# Altium PCB Copy of GameBoard_V1I1_083018.PcbDoc (part 11 of 21)
Units mil, origin at the board's own origin, x right, y up, seen from the top; angles counter-clockwise.
Board outline 7165.35 x 2763.78 mil, 12 copper layers (L1, L2, L3, L4, L5 (PWR), L6 (PWR), L7 (PWR), L8 (PWR), L9, L10, L11, L12), stack 61.575 mil thick; 1542 components, 1068 nets, 5447 pads, 3797 vias.
Unrouted connection lines stored in the file: 105.
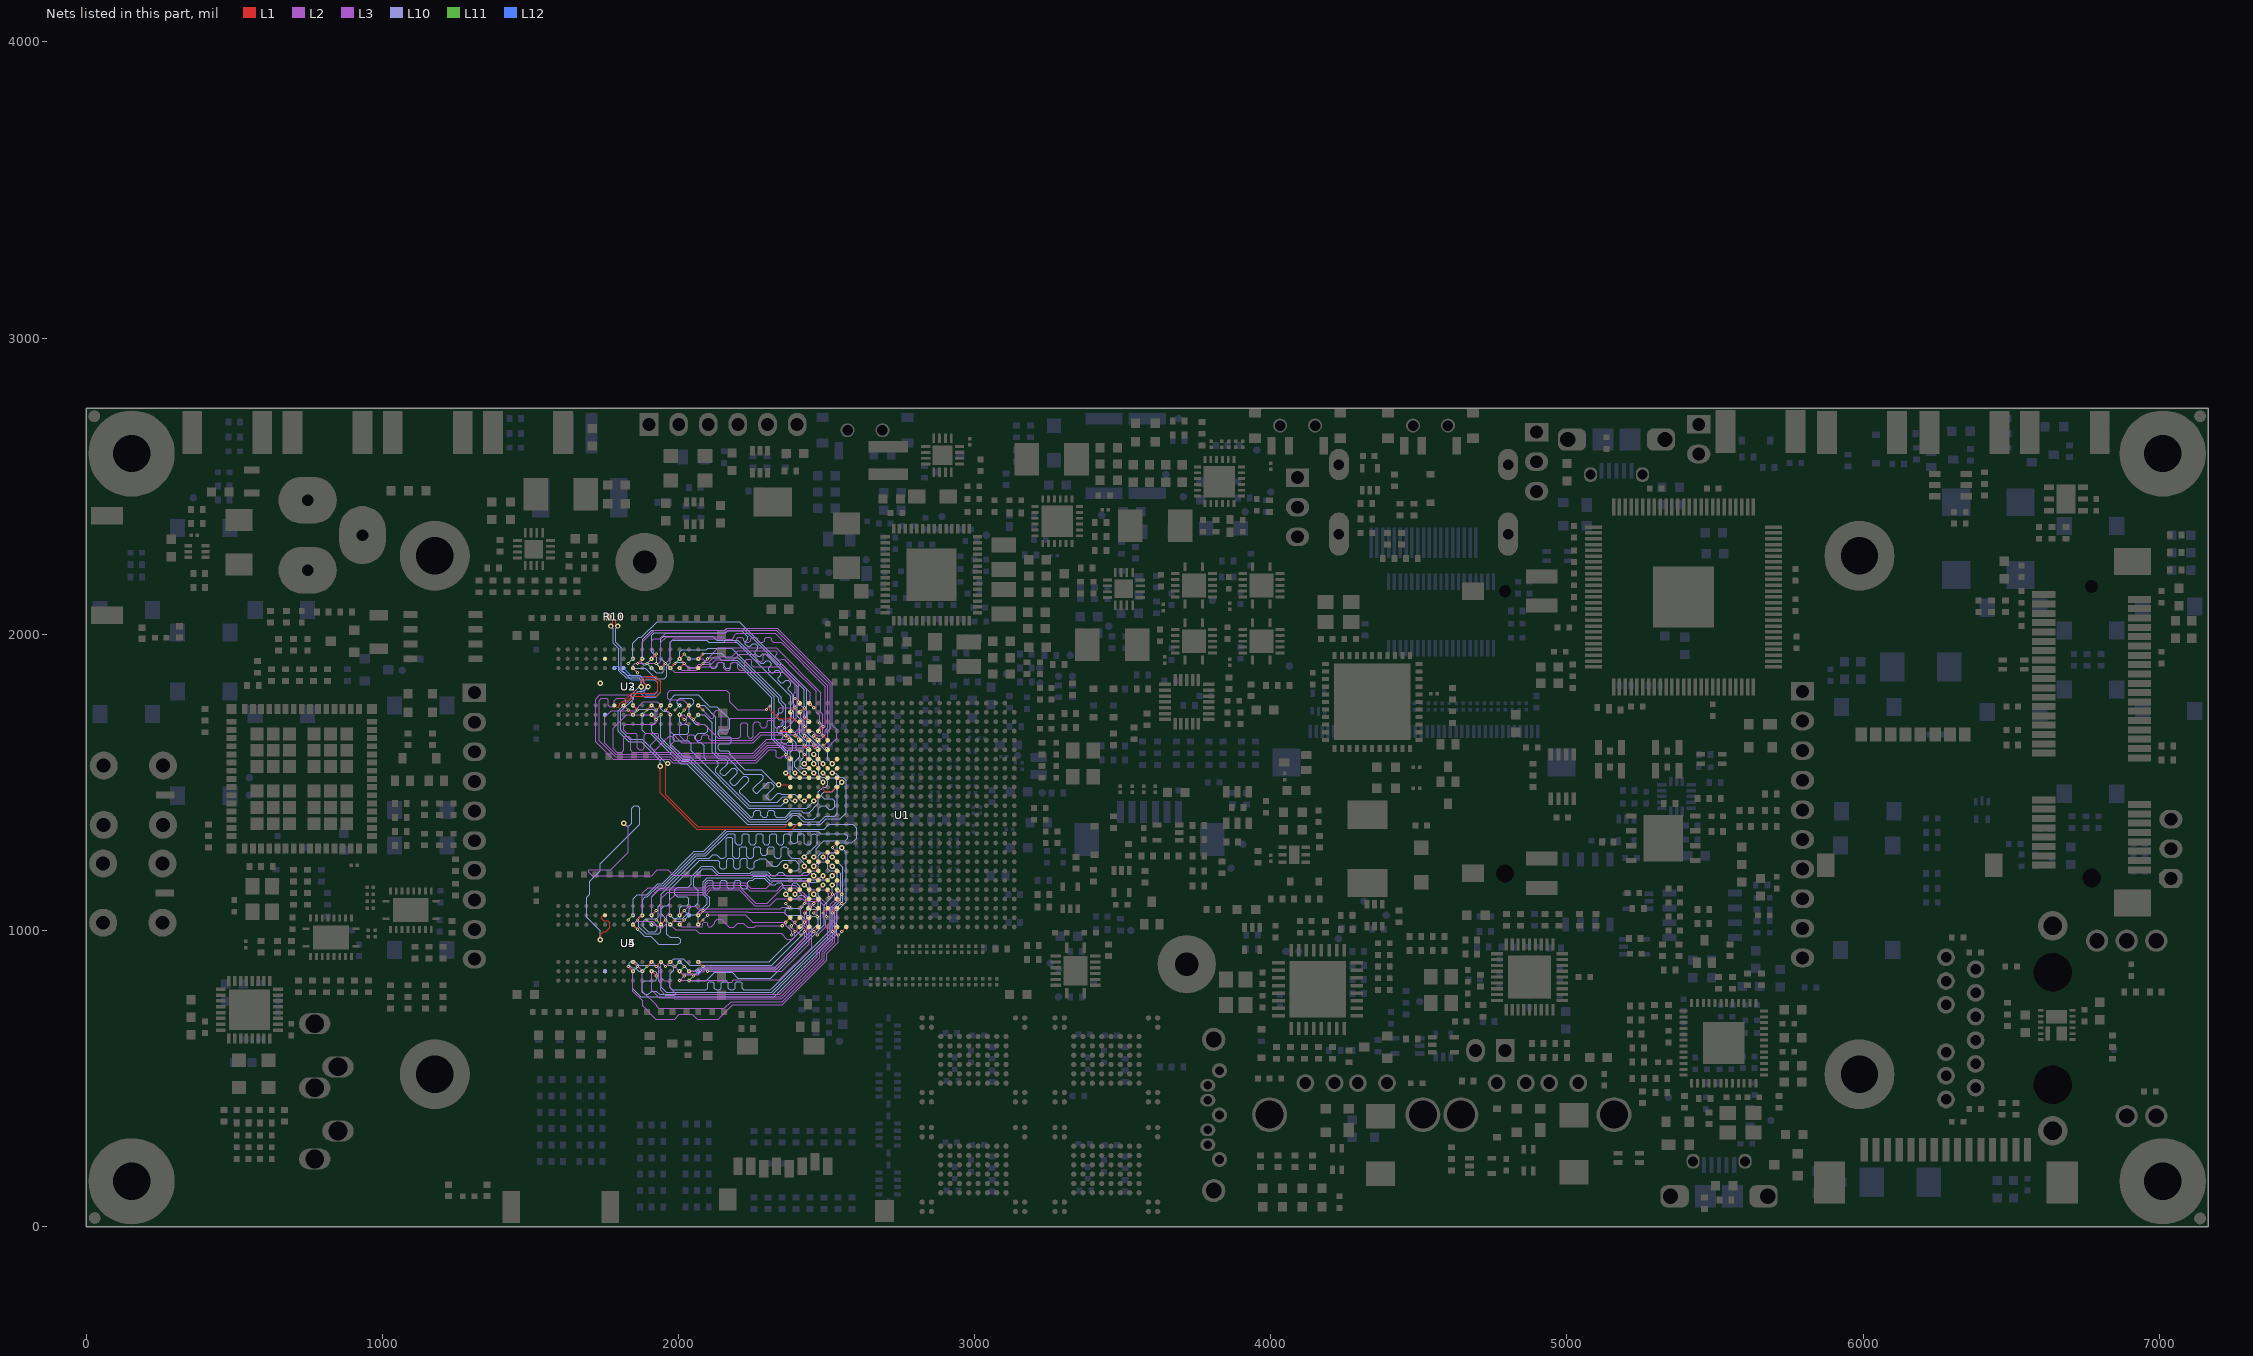
[diagram p21: the nets of this part, all layers, seen from the top]

## Via types
v1: diameter 17.72, hole 7.87, L1 to L12, 1936 vias
v2: diameter 17.72, hole 7.87, L1 to L12, tented both sides, 999 vias
v3: diameter 10.63, hole 3.94, L1 to L2, 337 vias
v4: diameter 10.63, hole 3.94, L2 to L3, 335 vias
v5: diameter 10.63, hole 3.94, L10 to L11, 96 vias
v6: diameter 10.63, hole 3.94, L11 to L12, 94 vias

## Nets (pads, with @x,y where several pads share a name; then routed paths per layer and width w, separated by ;. In a path a pad name is that pad's centre, name@x,y a point inside that pad or via, vN(x,y) a via of type N, cw(c..) or ccw(c..) an arc to the next point about the centre after c; other vN are vias at no path point) (continued)
DRAM_CLK1_N: R10.1 U1.AE14 U2.K7 U3.K7 | length 1860.7
  L1 w3.54: U2.K7@1783.46,1759.84 1789.37,1753.94 1796.46,1753.94 1802.36,1759.84 1802.36,1765.37 1809.44,1772.44 1813.64,1772.44 1841.81,1800.61 1920.55,1800.61 1929.9,1809.96 1929.9,1837.81 1918.5,1849.21 1890.69,1849.21 1883.86,1842.38 1883.86,1836.93 1897.64,1823.15 v2(1897.64,1822.83) ; v2(1795.28,2027.56) 1795.28,2027.88 1788.55,2034.61 1788.55,2044.45 R10.1@1803.15,2059.06
  L1 w3.94: 1956.69,1557.4 1956.69,1458.66 1958.27,1457.08 1972.44,1442.91 2064.96,1350.39 2360.24,1350.39 2368.11,1358.27 U1.AE14@2377.95,1358.27 ; 1956.85,1557.24 v2(1963.58,1563.98)
  L10 w3.94: v2(1795.28,2027.56) 1788.39,2020.67 1788.39,1972.75 1807.09,1954.05 1807.09,1880.91 1826.77,1861.22 1869.4,1861.22 1881.89,1848.73 1881.89,1838.58 v2(1897.64,1822.83) 1894.89,1822.83 1880.13,1808.07 1863.5,1808.07 1848.43,1793 1848.43,1782.69 1805.12,1739.38 1805.12,1676.49 1835.94,1645.67 1877.28,1645.67 1958.97,1563.98 v2(1963.58,1563.98)
  L12 w3.54: U3.K7@1783.46,1885.83 1789.37,1891.73 1796.46,1891.73 1802.36,1885.82 1802.36,1880.3 1809.44,1873.23 1813.64,1873.23 1839.84,1847.03 1918.58,1847.03 1929.9,1835.7 1929.9,1807.85 1918.5,1796.45 1890.69,1796.45 1884.02,1803.13 ; 1883.86,1803.29 1883.86,1808.73 1897.64,1822.51 v2(1897.64,1822.83)
DRAM_CLK1_P: R10.2 U1.AD14 U2.J7 U3.J7 | length 1879.1
  L1 w3.54: R10.2@1763.78,2059.06 1777.72,2045.12 1777.72,2033.62 v2(1771.65,2027.56) ; U2.J7@1814.96,1759.84 1845.89,1790.77 1924.62,1790.77 1939.74,1805.89 1939.74,1841.89 1922.58,1859.06 1886.61,1859.06 1874.02,1846.46 v2(1874.01,1822.83)
  L1 w3.94: v2(1938.98,1554.13) 1938.98,1465.24 2061.7,1342.52 2383.86,1342.52 2399.61,1358.27 U1.AD14@2409.45,1358.27
  L10 w3.94: v2(1771.65,2027.56) 1780.51,2018.7 1780.51,1969.49 1799.21,1950.79 1799.21,1877.64 1823.51,1853.35 1866.14,1853.35 1874.01,1845.47 v2(1874.01,1822.83) 1867.12,1822.83 1840.55,1796.26 1840.55,1785.95 1797.24,1742.64 1797.24,1673.23 1832.68,1637.8 1874.02,1637.8 1938.98,1572.83 v2(1938.98,1554.13)
  L12 w3.54: U3.J7@1814.96,1885.83 1843.92,1856.87 1922.66,1856.87 1939.74,1839.78 1939.74,1803.78 1922.58,1786.61 1886.61,1786.61 1874.02,1799.21 v2(1874.01,1822.83)
DRAM_CS0_B: U1.Y16 U2.L2 U3.L2 U4.L2 U5.L2 | length 2000.2
  L1 w3.66: v2(1736.22,968.5) 1736.29,986.22 1745.3,995.23 1754.16,995.23 1767.78,1008.86 1767.78,1025.59 1760.89,1032.48 1748.1,1032.48 1741.21,1039.37 1741.21,1046.26 1746.13,1051.18 U4.L2@1752.03,1051.18 ; v3(2519.69,1279.53) U1.Y16@2535.43,1295.28
  L3 w3.94: v2(1814.96,1362.2) 1830.71,1346.46 1830.71,1263.78 1771.65,1204.72 1696.85,1204.72 1696.85,1196.85 1708.66,1185.04 1909.45,1185.04 1929.13,1204.72 1964.57,1204.72 1983.47,1185.82 2382.67,1185.82 2436.59,1185.82 2450.58,1199.8 2451.77,1199.8 2452.76,1200.79 2464.57,1200.79 2472.44,1208.66 2472.44,1221.67 2482.07,1231.3 2495.08,1231.3 2504.92,1241.14 2504.92,1254.15 2513.57,1262.8 2526.57,1262.8 v4(2531.5,1267.72)
  L10 w3.66: v2(1736.22,968.5) 1736.22,998.52 1690.1,1044.64 1690.1,1111.36 1700.79,1122.05 1700.79,1165.35 1736.22,1200.79 1736.22,1225.47 1774.66,1263.92 1774.86,1263.92 1870.08,1359.14 1870.08,1413.39 1862.21,1421.26 1850.39,1421.26 1842.52,1413.39 1842.52,1362.2 1834.65,1354.33 1822.84,1354.33 v2(1814.96,1362.2)
  L2 w3.94: v3(2519.69,1279.53) v4(2531.5,1267.72)
  other v2: 1736.22,1834.65
DRAM_D0: U1.AD2 U2.D7 | length 687
  L1 w3.66: v3(1956.69,1744.1) U2.D7@1972.44,1759.84 ; U1.AD2@2409.45,1736.22 v3(2425.2,1751.97)
  L3 w3.94: v4(1972.44,1728.35) 1972.44,1672.24 2010.83,1633.86 2251.97,1633.86 2279.53,1661.42 2398.16,1661.42 2424.61,1687.87 2424.61,1705.44 2413.39,1716.66 v4(2413.39,1740.16)
  L2 w3.94: v3(1956.69,1744.1) v4(1972.44,1728.35) ; v4(2413.39,1740.16) v3(2425.2,1751.97)
DRAM_D1: U1.AE2 U2.B8 | length 687
  L1 w3.66: v4(2035.43,1728.35) v3(2051.18,1712.6) ; U1.AE2@2377.95,1736.22 v3(2393.7,1751.97)
  L3 w3.94: v4(2035.43,1728.35) 2066.93,1696.85 2087.81,1696.85 2135.05,1649.61 2204.11,1649.61 2210.01,1655.51 2210.01,1695.48 2215.92,1701.39 2227.73,1701.39 2233.63,1695.48 2233.63,1655.51 2239.54,1649.61 2245.45,1649.61 2251.97,1656.13 2251.97,1696.85 2259.84,1704.73 2269.69,1704.73 2275.59,1698.82 2275.59,1690.93 2281.5,1685.03 2293.31,1685.03 2299.21,1690.93 2299.21,1704.73 2303.74,1709.25 2318.31,1709.25 2322.83,1704.73 2322.83,1690.93 2328.74,1685.03 2340.55,1685.03 2346.46,1690.93 2346.46,1698.82 2352.36,1704.73 2358.27,1704.73 2366.14,1704.73 2381.89,1720.47 v4(2381.89,1740.16)
  L2 w3.94: v4(2035.43,1728.35) v3(2051.18,1712.6) ; v4(2381.89,1740.16) v3(2393.7,1751.97)
DRAM_D2: U1.AC4 U2.C8 | length 687
  L1 w3.66: v4(2003.94,1728.35) v3(2019.68,1712.6) ; v3(2425.2,1688.98) U1.AC4@2440.94,1673.23
  L3 w3.94: v4(2003.94,1728.35) 2018.7,1728.35 2027.56,1719.49 2027.56,1704.72 2019.68,1696.85 2011.81,1696.85 2003.94,1688.98 2003.94,1657.48 2019.68,1641.73 2025.59,1641.73 2031.5,1647.64 2031.5,1655.68 2037.4,1661.58 2049.21,1661.58 2055.12,1655.68 2055.12,1647.64 2061.02,1641.73 2072.83,1641.73 2078.74,1647.64 2078.74,1655.68 2084.65,1661.58 2096.46,1661.58 2102.36,1655.68 2102.36,1647.64 2108.27,1641.73 2161.42,1641.73 2248.71,1641.73 2276.27,1669.29 2394.89,1669.29 2408.46,1682.86 2408.46,1695.87 v4(2413.39,1700.79)
  L2 w3.94: v4(2003.94,1728.35) v3(2019.68,1712.6) ; v4(2413.39,1700.79) v3(2425.2,1688.98)
DRAM_D3: U1.AA5 U2.A3 | length 684.4
  L1 w3.66: U2.A3@2066.93,1885.83 v3(2082.68,1901.57) ; v3(2488.19,1657.48) U1.AA5@2503.94,1641.73
  L3 w3.94: v4(2098.42,1917.32) 2134.84,1953.74 2329.72,1953.74 2480.32,1803.15 2480.32,1736.34 2487.6,1729.06 2487.6,1696.14 2484.25,1692.79 2484.25,1692.63 2476.38,1684.75 v4(2476.38,1669.29)
  L2 w3.94: v3(2082.68,1901.57) v4(2098.42,1917.32) ; v4(2476.38,1669.29) v3(2488.19,1657.48)
DRAM_D4: U1.AC1 U2.C2 | length 687
  L1 w3.66: v4(2003.94,1917.32) v3(2019.68,1933.07) ; U1.AC1@2440.94,1767.72 v3(2456.69,1751.97)
  L3 w3.94: v4(2003.94,1917.32) 2034.45,1886.81 2057.3,1886.81 2068.71,1898.23 2110.24,1898.23 2125.39,1913.39 2185.04,1913.39 2204.72,1933.07 2227.24,1933.07 2239.05,1933.07 2256.76,1933.07 2262.67,1927.17 2262.67,1912.89 2268.58,1906.98 2280.39,1906.98 2286.29,1912.89 2286.29,1927.17 2292.2,1933.07 2299.8,1933.07 2334.65,1898.23 2348.45,1898.23 2444.88,1801.8 v4(2444.88,1763.78)
  L2 w3.94: v4(2003.94,1917.32) v3(2019.68,1933.07) ; v4(2444.88,1763.78) v3(2456.69,1751.97)
DRAM_D5: U1.AD1 U2.C3 | length 687
  L1 w3.66: v4(2003.94,1885.83) v3(2019.68,1901.57) ; v3(2393.7,1783.47) U1.AD1@2409.45,1767.72
  L3 w3.94: v4(2003.94,1885.83) 2010.83,1878.94 2060.56,1878.94 2071.97,1890.35 2118.11,1890.35 2124.02,1890.35 2129.92,1896.26 2129.92,1899.22 2135.83,1905.13 2147.64,1905.13 2153.54,1899.22 2153.54,1890.35 2153.54,1885.23 2159.45,1879.32 2171.26,1879.32 2177.17,1885.23 2177.17,1890.35 2177.17,1899.22 2183.07,1905.13 2194.88,1905.13 2200.79,1899.22 2200.79,1890.35 2200.79,1885.23 2206.69,1879.32 2218.5,1879.32 2224.41,1885.23 2224.41,1890.35 2224.41,1909.06 2230.31,1914.97 2242.13,1914.97 2248.03,1909.06 2248.03,1896.26 2253.94,1890.35 2295.28,1890.35 2345.19,1890.35 2405.51,1830.03 v4(2405.51,1771.65)
  L2 w3.94: v4(2003.94,1885.83) v3(2019.68,1901.57) ; v3(2393.7,1783.47) v4(2405.51,1771.65)
DRAM_D6: U1.AB4 U2.A2 | length 687
  L1 w3.66: v4(2066.93,1917.32) v3(2082.68,1933.07) ; U1.AB4@2472.44,1673.23 v3(2488.19,1688.98)
  L3 w3.94: v4(2066.93,1917.32) 2082.56,1917.32 2093.78,1906.1 2103.07,1906.1 2109.64,1912.67 2109.64,1912.79 2121.06,1924.21 2180.12,1924.21 2200.79,1944.88 2284.53,1944.88 2296.34,1944.88 2319.96,1944.88 2327.45,1944.88 2331.62,1940.71 2331.62,1932.35 2329.29,1930.02 2329.29,1921.67 2337.64,1913.31 2345.99,1913.31 2348.33,1915.65 2356.68,1915.65 2386.16,1886.16 2464.57,1807.76 2464.57,1736.22 2476.38,1724.41 v4(2476.38,1700.79)
  L2 w3.94: v4(2066.93,1917.32) v3(2082.68,1933.07) ; v4(2476.38,1700.79) v3(2488.19,1688.98)
DRAM_D7: U1.AE4 U2.A7 | length 687
  L1 w3.66: v4(2066.93,1759.84) v3(2082.68,1744.1) ; v3(2346.46,1673.23) U1.AE4@2377.95,1673.23
  L3 w3.94: v4(2066.93,1759.84) 2109.65,1717.13 2115.55,1717.13 2121.46,1723.03 2121.46,1737.21 2127.36,1743.12 2139.17,1743.12 2145.08,1737.21 2145.08,1717.13 2145.08,1670.93 2150.99,1665.02 2162.8,1665.02 2168.7,1670.93 2168.7,1712.6 2173.23,1717.13 2244.09,1717.13 2327.48,1717.13 2338.58,1728.23 2338.58,1748.03 2342.52,1751.97 2389.76,1751.97 2397.64,1744.09 2397.64,1724.41 2397.64,1715.97 2366.7,1685.04 v4(2358.27,1685.04)
  L2 w3.94: v4(2066.93,1759.84) v3(2082.68,1744.1) ; v3(2346.46,1673.23) v4(2358.27,1685.04)
DRAM_D8: U1.AD5 U2.E3 | length 1117.8
  L1 w3.66: v4(1940.94,1885.83) v3(1956.69,1901.57) ; v3(2393.7,1657.48) U1.AD5@2409.45,1641.73
  L3 w3.94: v4(1940.94,1885.83) 1972.44,1917.32 1972.44,1972.44 1984.25,1984.25 2146.34,1984.25 2158.16,1972.44 2185.04,1972.44 2190.94,1972.44 2196.85,1978.35 2196.85,1984.74 2202.76,1990.64 2214.57,1990.64 2220.47,1984.74 2220.47,1978.35 2226.38,1972.44 2238.19,1972.44 2244.09,1978.35 2244.09,1984.74 2250,1990.64 2261.81,1990.64 2267.72,1984.74 2267.72,1978.35 2273.62,1972.44 2285.43,1972.44 2291.34,1978.35 2291.34,1984.74 2297.24,1990.64 2309.05,1990.64 2314.96,1984.74 2314.96,1978.35 2320.87,1972.44 2330.71,1972.44 2346.46,1972.44 2495.47,1823.43 2495.47,1688.39 2487.6,1680.51 2487.6,1664.64 2480.43,1657.48 2468.5,1657.48 2452.76,1673.23 2433.07,1673.23 2425.2,1665.35 2425.2,1652.8 2418.06,1645.67 v4(2405.51,1645.67)
  L2 w3.94: v4(1940.94,1885.83) v3(1956.69,1901.57) ; v3(2393.7,1657.48) v4(2405.51,1645.67)
DRAM_D9: U1.AE5 U2.F7 | length 1117.8
  L1 w3.66: v3(1893.7,1744.1) v4(1909.45,1759.84) ; v3(2362.2,1657.48) U1.AE5@2377.95,1641.73
  L3 w3.94: v4(1909.45,1759.84) 1929.13,1740.16 1929.13,1706.69 1919.29,1696.85 1822.83,1696.85 1814.96,1688.98 1814.96,1675.97 1825.58,1665.35 1837.39,1665.35 1855.1,1665.35 1861.01,1659.45 1861.01,1616.5 1866.92,1610.59 1878.73,1610.59 1884.63,1616.5 1884.63,1659.45 1890.54,1665.35 1908.25,1665.35 1927.63,1665.35 1931.8,1661.18 1931.8,1652.83 1906.17,1627.19 1906.17,1618.84 1914.52,1610.49 1922.87,1610.49 1952.68,1640.3 1968.54,1656.16 1976.89,1656.16 1985.24,1647.8 1985.24,1639.45 1973.56,1627.77 1973.56,1619.42 1994.56,1598.43 2006.37,1598.43 2015.75,1598.43 2250.52,1598.43 2297.77,1645.67 v4(2374.02,1645.67)
  L2 w3.94: v3(1893.7,1744.1) v4(1909.45,1759.84) ; v3(2362.2,1657.48) v4(2374.02,1645.67)
DRAM_D10: U1.AA6 U2.G2 | length 1117.8
  L1 w3.66: v3(1862.21,1901.58) v4(1877.95,1917.32) ; v3(2488.19,1625.98) U1.AA6@2503.94,1610.24
  L3 w3.94: v4(1877.95,1917.32) 1877.95,1972.44 1893.7,1988.19 1918.31,2012.8 2155.98,2012.8 2163.85,2020.67 2332.89,2020.67 2519.69,1833.88 2519.69,1693.59 2534.45,1678.83 2534.45,1648.62 v4(2500,1614.17)
  L2 w3.94: v3(1862.21,1901.58) v4(1877.95,1917.32) ; v3(2488.19,1625.98) v4(2500,1614.17)
DRAM_D11: U1.AE7 U2.H7 | length 1117.2
  L1 w3.66: v4(1846.46,1759.84) v3(1862.2,1744.1) ; v3(2362.2,1594.49) U1.AE7@2377.95,1578.74
  L3 w3.94: v4(1846.46,1759.84) 1846.46,1785.43 1836.61,1795.28 1735.05,1795.28 1720.47,1780.7 1720.47,1637.96 1779.69,1578.74 1969.7,1578.74 1981.51,1566.93 2263.57,1566.93 2306.88,1610.24 2324.8,1610.24 2330.71,1604.33 2330.71,1586.61 2334.65,1582.68 2346.46,1582.68 2354.33,1590.55 2366.14,1590.55 v4(2374.02,1582.68)
  L2 w3.94: v4(1846.46,1759.84) v3(1862.2,1744.1) ; v3(2362.2,1594.49) v4(2374.02,1582.68)
DRAM_D12: U1.AB5 U2.H3 | length 1116.5
  L1 w3.66: v4(1846.46,1885.83) v3(1862.2,1870.08) ; v3(2456.69,1657.48) U1.AB5@2472.44,1641.73
  L3 w3.94: v4(1846.46,1885.83) 1846.46,1893.7 1854.33,1901.57 1933.07,1901.57 1940.95,1909.45 1940.95,1972.44 1960.63,1992.13 2149.61,1992.13 2158.46,1983.27 2181.1,1983.27 2188.98,1991.14 2188.98,1996.06 2196.85,2003.94 2326.1,2003.94 2503.35,1826.69 2503.35,1684.45 2495.47,1676.57 2495.47,1661.38 2483.7,1649.61 2472.44,1649.61 v4(2468.5,1645.67)
  L2 w3.94: v4(1846.46,1885.83) v3(1862.2,1870.08) ; v3(2456.69,1657.48) v4(2468.5,1645.67)
DRAM_D13: U1.AC5 U2.F2 | length 1117.2
  L1 w3.66: v4(1909.45,1917.32) v3(1925.2,1933.07) ; v3(2425.2,1657.48) U1.AC5@2440.94,1641.73
  L3 w3.94: v4(1909.45,1917.32) 1917.32,1925.2 1917.32,1945.87 1910.43,1952.76 1910.43,1977.36 1917.32,1984.25 1937.01,1984.25 1956.69,2003.94 2158.25,2003.94 2167.11,2012.8 2329.63,2012.8 2511.81,1830.61 2511.81,1681.1 2503.94,1673.23 2503.94,1637.8 2492.13,1625.98 2458.77,1625.98 2439.09,1645.67 v4(2437.01,1645.67)
  L2 w3.94: v4(1909.45,1917.32) v3(1925.2,1933.07) ; v3(2425.2,1657.48) v4(2437.01,1645.67)
DRAM_D14: U1.AB6 U2.F8 | length 1156.8
  L1 w3.66: v4(1909.45,1728.35) v3(1925.2,1712.6) ; v3(2456.69,1625.98) U1.AB6@2472.44,1610.24 v3(2456.69,1625.98)
  L3 w3.94: v4(1909.45,1728.35) 1825.58,1728.35 1779.53,1682.3 1779.53,1615.24 1792.4,1602.36 1803.15,1602.36 1809.06,1602.36 1814.96,1608.27 1814.96,1649.68 1820.87,1655.59 1832.68,1655.59 1838.58,1649.68 1838.58,1608.27 1844.49,1602.36 1862.2,1602.36 1909.45,1602.36 1979.48,1602.36 1991.29,1590.55 2253.79,1590.55 2297.09,1633.86 2356.24,1633.86 2365.1,1625 2381.06,1625 2381.46,1625.39 2448.23,1625.39 2459.45,1614.17 v4(2468.5,1614.17)
  L2 w3.94: v4(1909.45,1728.35) v3(1925.2,1712.6) ; v3(2456.69,1625.98) v4(2468.5,1614.17) v3(2456.69,1625.98)
  other v3: 2456.69,1625.98
  other v4: 2468.5,1614.17
DRAM_D15: U1.AC7 U2.H8 | length 1108.8
  L1 w3.66: v3(1830.71,1744.09) U2.H8@1846.46,1728.35 ; v3(2425.2,1594.49) U1.AC7@2440.94,1578.74
  L3 w3.94: v4(1814.96,1759.84) 1822.83,1767.72 1822.83,1777.42 1816.79,1783.46 1791.34,1783.46 1783.46,1775.59 1783.46,1759.84 1779.53,1755.91 1768.62,1755.91 1763.78,1760.75 1763.78,1777.56 1757.87,1783.46 1740.16,1783.46 1732.45,1775.75 1732.45,1640.05 1785.88,1586.61 1972.96,1586.61 1984.77,1574.8 2260.31,1574.8 2303.62,1618.11 2349.72,1618.11 2358.58,1609.25 2410.43,1609.25 v4(2413.39,1606.3)
  L2 w3.94: v4(1814.96,1759.84) v3(1830.71,1744.09) ; v4(2413.39,1606.3) v3(2425.2,1594.49)
DRAM_D16: U1.AB7 U3.E3 | length 1119.8
  L1 w3.66: v2(2456.69,1594.49) U1.AB7@2472.44,1578.74
  L10 w3.66: v5(1940.94,1759.84) 1940.94,1748.03 1948.82,1740.16 1964.57,1740.16 1972.44,1732.28 1972.44,1630.66 2017.32,1585.79 2040.2,1585.79 2230.85,1395.14 2235.25,1390.73 2243.5,1382.48 2249.09,1382.48 2254.93,1388.32 2254.93,1399.58 2260.77,1405.42 2272.44,1405.42 2278.28,1399.58 2278.28,1388.32 2284.11,1382.48 2295.79,1382.48 2301.62,1388.32 2301.62,1399.58 2307.46,1405.42 2319.13,1405.42 2324.97,1399.58 2324.97,1388.32 2330.81,1382.48 2348.32,1382.48 2359.99,1382.48 2381.35,1403.84 2393.46,1403.84 2393.6,1403.98 2414.92,1403.98 2421.26,1397.64 2440.95,1397.64 2472.44,1429.13 2472.44,1468.5 2488.19,1484.25 2497.05,1484.25 2504.92,1492.13 2504.92,1503.95 2492,1516.87 2482.13,1516.87 2473.56,1525.44 2473.56,1566.87 2465.96,1574.47 2465.96,1585.22 v2(2456.69,1594.49)
  L11 w3.94: v6(1925.2,1744.09) v5(1940.94,1759.84)
  L12 w3.66: v6(1925.2,1744.09) v5(1940.94,1759.84)
DRAM_D17: U1.AA8 U3.F8 | length 1116.3
  L1 w3.66: v2(2488.19,1562.99) U1.AA8@2503.94,1547.24
  L10 w3.66: v5(1909.45,1917.32) 1889.76,1897.64 1881.89,1897.64 1874.02,1905.51 1874.02,1921.95 1879.07,1927.01 1879.07,1982.5 1909.45,2012.88 2156.64,2012.88 2164.02,2020.26 2216.04,2020.26 2216.54,2020.75 2425.2,1812.09 2425.2,1666.42 2473.56,1618.05 2473.56,1577.62 v2(2488.19,1562.99)
  L11 w3.94: v5(1909.45,1917.32) v6(1925.2,1933.07)
  L12 w3.66: v5(1909.45,1917.32) v6(1925.2,1933.07)
DRAM_D18: U1.AB9 U3.H7 | length 1118.8
  L1 w3.66: v2(2456.69,1531.5) U1.AB9@2472.44,1515.75
  L10 w3.66: v5(1846.46,1885.83) 1887.8,1885.83 1923.23,1850.39 1952.76,1850.39 1961.36,1859 1961.36,1892.46 1972.44,1903.54 1972.44,1972.44 1979.33,1979.33 2095.47,1979.33 2102.36,1972.44 2196.85,1972.44 2379.07,1790.22 2379.07,1680.31 2421.26,1638.12 2421.26,1582.68 2410.57,1571.99 2410.57,1554.98 2418.31,1547.24 2440.95,1547.24 v2(2456.69,1531.5)
  L11 w3.94: v5(1846.46,1885.83) v6(1862.2,1870.08)
  L12 w3.66: v5(1846.46,1885.83) v6(1862.2,1870.08)
DRAM_D19: U1.Y9 U3.H3 | length 1117.2
  L1 w3.66: U1.Y9@2535.43,1515.75 v2(2551.18,1500)
  L10 w3.66: v5(1846.46,1728.35) 1864.17,1746.06 1915.35,1746.06 1921.26,1740.16 1921.26,1703.6 1910.57,1692.91 1910.57,1671.04 2011.02,1570.59 2033.9,1570.59 2237.21,1367.28 2366.28,1367.28 2387.64,1388.64 2399.76,1388.64 2421.26,1367.14 2477.46,1367.14 2495.87,1385.55 2527.28,1385.55 2535.43,1393.7 2535.43,1484.25 v2(2551.18,1500)
  L11 w3.94: v5(1846.46,1728.35) v6(1862.2,1744.09)
  L12 w3.66: U3.H3@1846.46,1759.84 v6(1862.2,1744.09)
DRAM_D20: U1.Y7 U3.H8 | length 1118.3
  L1 w3.66: v2(2519.69,1562.99) U1.Y7@2535.43,1578.74
  L10 w3.66: v5(1846.46,1917.32) 1846.46,1969.5 1866.14,1989.19 1875.02,1989.19 1928.01,2042.18 2205.85,2042.18 2433.07,1814.96 2433.07,1669.29 2448.82,1653.54 2449.82,1653.54 2503.94,1599.42 2503.94,1578.74 v2(2519.69,1562.99)
  L11 w3.94: v6(1830.71,1901.58) v5(1846.46,1917.32)
  L12 w3.66: v6(1830.71,1901.58) v5(1846.46,1917.32)
DRAM_D21: U1.Y8 U3.G2 | length 1119.6
  L1 w3.66: v2(2519.69,1531.5) U1.Y8@2535.43,1547.24
  L10 w3.66: v5(1877.95,1728.35) 1877.95,1676.17 1887.64,1666.48 1904.39,1666.48 2007.87,1562.99 2028.54,1562.99 2232.15,1359.39 2480.45,1359.39 2499.02,1377.95 2547.12,1377.95 2565.81,1396.64 2565.81,1506.06 2555,1516.87 2545.12,1516.87 2530.5,1531.5 v2(2519.69,1531.5)
  L11 w3.94: v5(1877.95,1728.35) v6(1893.7,1744.09)
  L12 w3.66: v5(1877.95,1728.35) v6(1893.7,1744.09)
DRAM_D22: U1.AC8 U3.F7 | length 1118.3
  L1 w3.66: v2(2425.2,1562.99) U1.AC8@2440.94,1547.24
  L10 w3.66: v5(1909.45,1885.83) 1925.2,1870.08 1944.88,1870.08 1952.76,1877.95 1952.76,1907.48 1940.95,1919.29 1940.95,1984.25 1950.79,1994.09 2115.16,1994.09 2128.94,1980.31 2200.79,1980.31 2278.25,1902.86 2287.97,1902.86 2296.33,1911.21 2304.58,1911.21 2312.84,1902.96 2312.84,1894.7 2304.48,1886.35 2304.48,1878.09 2312.73,1869.84 2320.99,1869.84 2329.35,1878.2 2337.6,1878.2 2345.85,1869.94 2345.85,1861.69 2337.5,1853.33 2337.5,1845.08 2345.75,1836.82 2354.01,1836.82 2362.36,1845.18 2370.62,1845.18 2378.87,1836.92 2378.87,1828.67 2370.51,1820.31 2370.51,1812.06 2389.76,1792.81 2389.76,1716.54 2409.72,1696.57 2409.72,1660.4 2433.07,1637.05 2433.07,1570.87 v2(2425.2,1562.99)
  L11 w3.94: v6(1893.7,1901.57) v5(1909.45,1885.83)
  L12 w3.66: v6(1893.7,1901.57) v5(1909.45,1885.83)
DRAM_D23: U1.AA9 U3.F2 | length 1119.8
  L1 w3.66: v2(2488.19,1531.5) U1.AA9@2503.94,1515.75
  L10 w3.66: v5(1940.94,1728.35) 1940.94,1651.41 2014.17,1578.19 2037.05,1578.19 2240.36,1374.88 2363.14,1374.88 2384.5,1396.24 2396.61,1396.24 2396.75,1396.38 2405.79,1396.38 2427.43,1374.74 2457.42,1374.74 2472.44,1389.76 2472.44,1410.45 2483.25,1421.26 2496.06,1421.26 2507.87,1409.45 2519.69,1409.45 2527.56,1417.32 2527.56,1437.01 2519.68,1444.88 2492.13,1444.88 2484.25,1452.76 2484.25,1460.63 2492.13,1468.5 2519.68,1468.5 2527.56,1476.38 2527.56,1487.12 2534.31,1493.88 2534.31,1508.01 2526.57,1515.75 2503.94,1515.75 v2(2488.19,1531.5)
  L11 w3.94: v6(1925.2,1712.6) v5(1940.94,1728.35)
  L12 w3.66: U3.F2@1909.45,1728.35 v6(1925.2,1712.6)
DRAM_D24: U1.AE9 U3.D7 | length 815.6
  L1 w3.66: v2(2362.2,1531.5) U1.AE9@2377.95,1515.75
  L10 w3.66: v5(1972.44,1885.83) 1992.13,1905.51 2014.76,1905.51 2033.33,1886.95 2069.04,1886.95 2087.6,1905.51 2101.43,1905.51 2107.26,1899.68 2107.26,1891.39 2113.1,1885.56 2124.77,1885.56 2130.61,1891.39 2130.61,1899.68 2136.45,1905.51 2148.12,1905.51 2153.96,1899.68 2153.96,1891.39 2159.79,1885.56 2171.47,1885.56 2177.3,1891.39 2177.3,1899.68 2183.14,1905.51 2188.98,1905.51 2195.79,1905.51 2315.24,1786.06 2315.24,1646.46 2362.2,1599.49 2362.2,1583.81 2370.08,1575.94 2370.08,1539.37 v2(2362.2,1531.5)
  L11 w3.94: v6(1956.69,1901.57) v5(1972.44,1885.83)
  L12 w3.66: v6(1956.69,1901.57) v5(1972.44,1885.83)
DRAM_D25: U1.Y10 U3.A7 | length 812.8
  L1 w3.66: v2(2488.19,1500) 2488.19,1476.38 2496.06,1468.5 2515.75,1468.5 2531.5,1484.25 U1.Y10@2535.43,1484.25
  L10 w3.66: v5(2098.43,1917.32) 2102.09,1920.98 2137.01,1920.98 2141.46,1916.53 2141.46,1915.93 2144.28,1913.11 2198.93,1913.11 2322.83,1789.21 2322.83,1649.61 2369.8,1602.64 2369.8,1586.96 2377.68,1579.08 2377.68,1536.77 2377.95,1536.5 2377.95,1526.56 2388.76,1515.75 2472.44,1515.75 v2(2488.19,1500)
  L11 w3.94: v6(2082.68,1901.57) v5(2098.43,1917.32)
  L12 w3.66: U3.A7@2066.93,1885.83 v6(2082.68,1901.57)
DRAM_D26: U1.AE11 U3.C3 | length 814.1
  L1 w3.66: v2(2362.2,1437.01) U1.AE11@2377.95,1452.76
  L10 w3.66: v5(2003.94,1759.84) 1996.06,1767.72 1996.06,1775.59 2003.94,1783.46 2043.31,1783.46 2051.18,1775.59 2051.18,1767.72 2039.37,1755.91 2039.37,1755.78 2036.55,1752.97 2036.55,1719.35 2059.05,1696.85 2087.81,1696.85 2098.43,1686.23 2098.43,1673.23 2090.55,1665.35 2066.93,1665.35 2059.06,1657.48 2059.06,1643.7 2066.93,1635.83 2074.8,1635.83 2086.61,1624.02 2086.61,1582.68 2094.49,1574.8 2125.98,1574.8 2133.86,1566.93 2133.86,1555.86 2125.98,1547.99 2125.98,1534.69 2239.42,1421.26 2346.46,1421.26 v2(2362.2,1437.01)